# KiCad board bottom-board.kicad_pcb (continued)
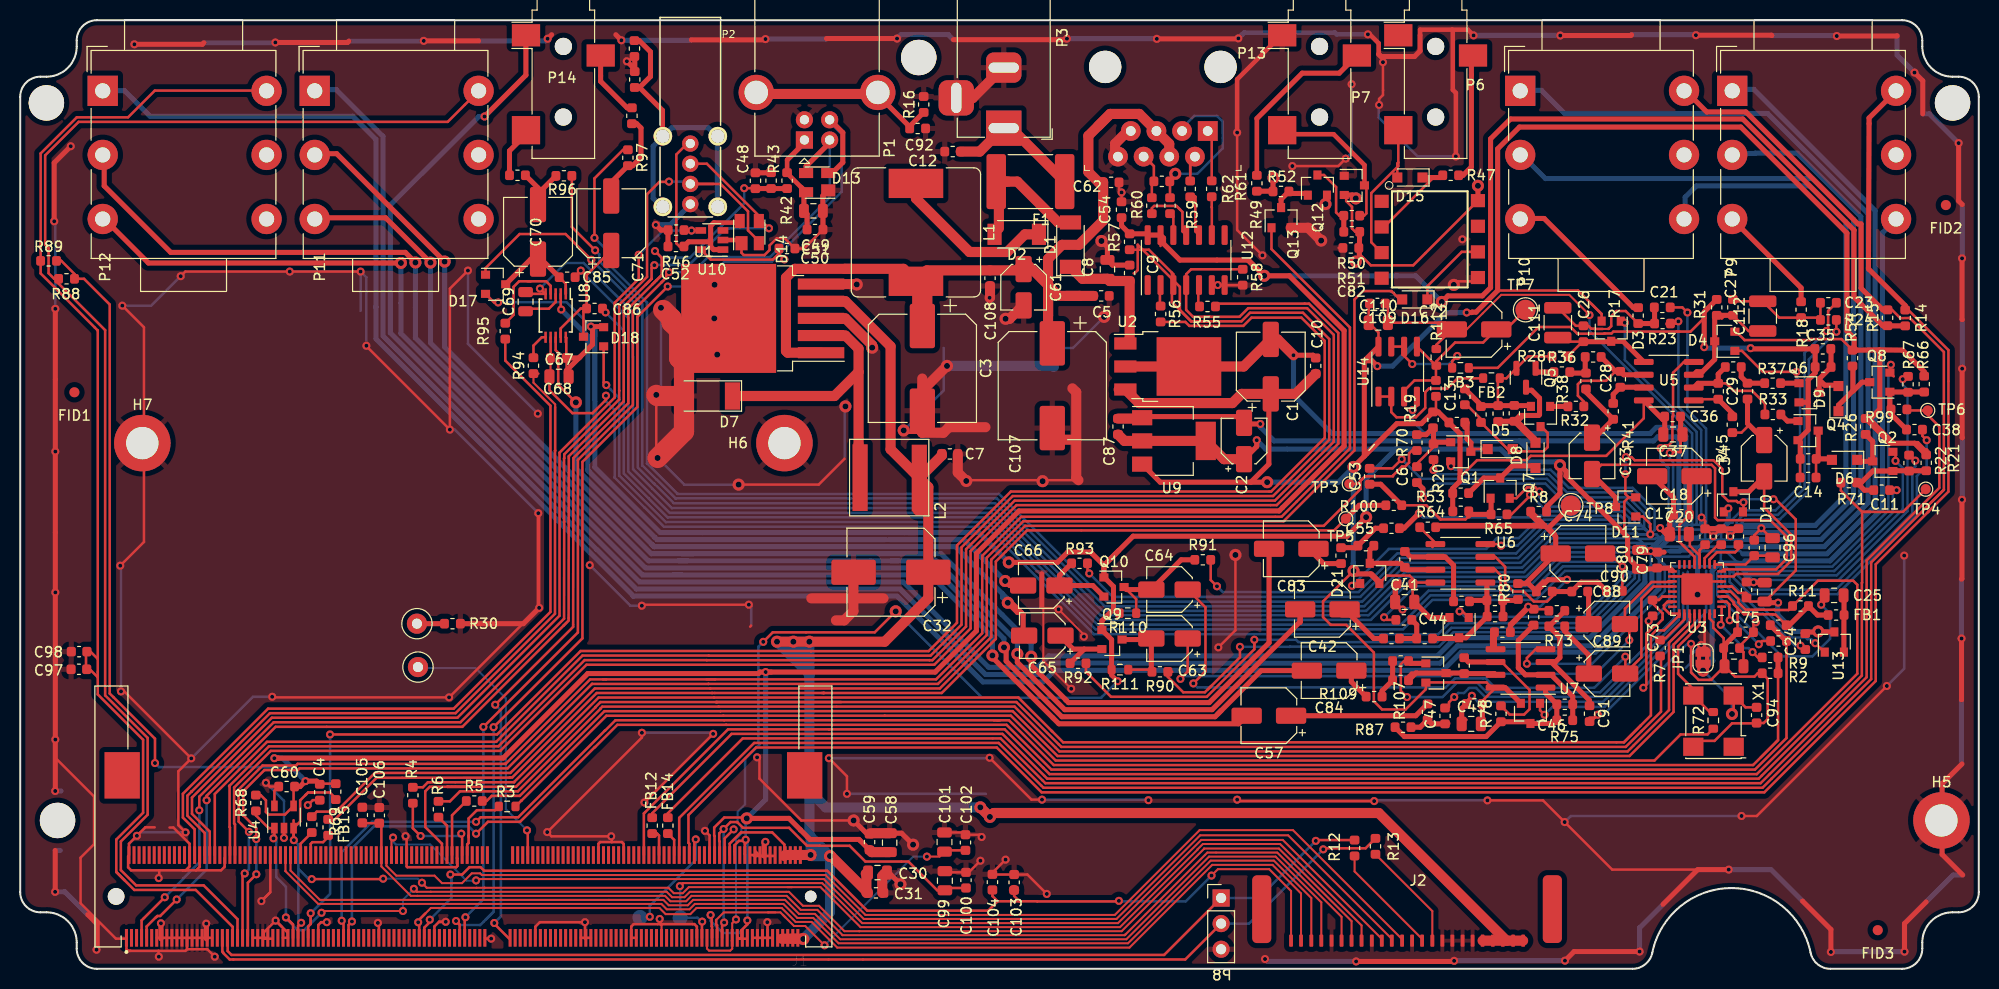
[diagram p0: board, top side]
## Routing (per net, layer and track width the routed paths; a pad name or vN(x,y) marks a point on that pad's centre or on a via; arc(x,y) is an arc through that point) (continued)
  Top w0.25: R68.2 23.34,15.21 24.61,13.94 U4.1 25.18,13.02 v1(25.09,12.93) ; 26.94,4.47 v1(26.32,5.09) 27.03,4.39 J1.67
  Bottom w0.2: v1(37.91,5.73) 37.91,6.84 v1(39,7.93)
  Bottom w0.25: v1(25.09,12.93) 25.36,12.66 25.36,9.1 26.32,8.14 v1(26.32,5.09) 26.32,5 27.48,3.83 28.13,3.83 v1(29.85,5.55)
PM_LEDS_SDA: length 137.9
  Top w0.2: 76.42,8.09 66.23,8.09 65.63,7.49 64.74,7.49 64.2,8.03 46.01,8.03 46,8.04 45.99,8.03 45.2,8.03 45.2,8.03 40.27,8.03 40.27,8.03 39.79,8.51 v1(39.79,8.53) ; 76.42,8.09 79.27,8.09 83.24,4.13 108.93,4.13 116.61,11.8 116.61,11.83 117.15,12.37 124.79,12.37 132.86,4.3 J2.8 ; 76.42,8.09 75.99,8.09
  Top w0.25: U4.3 27.08,12.76 27.1,12.74 ; U4.3 27.08,12.77 v1(27.1,12.75) ; U4.3 27.08,14.72 ; U4.3 27.73,14.59 27.73,16.69 28.26,17.22 ; 28.99,17.48 30.66,17.48 31.25,16.89 R69.2 ; 28.99,17.48 28.52,17.48 28.26,17.22 ; 28.99,17.48 28.77,17.48 ; J1.69 27.53,4.25 v1(27.83,4.56) ; 28.26,17.22 28.36,17.32 ; v1(28.88,8.89) 35.91,8.89 v1(35.95,8.93)
  Bottom w0.2: v1(35.95,8.93) 39.39,8.93 v1(39.79,8.53)
  Bottom w0.25: 27.56,9.91 27.56,4.83 v1(27.83,4.56) ; 27.56,9.91 27.56,12.28 27.1,12.74 ; 27.56,9.91 28.58,8.89 v1(28.88,8.89)
POWER_BUTTON: length 86.7
  Top w0.2: J2.10 134.87,2.96 125.06,12.77 116.98,12.77 108.74,4.53 83.4,4.53 79.44,8.49 65.64,8.49 v1(65.34,8.19)
  Top w0.25: 67.53,4.43 67.53,4.65 ; 67.53,4.43 J1.221 ; 67.53,4.43 67.53,4.65 ; 67.53,4.65 v1(67.55,4.68) ; v1(65.34,8.19) 65.61,8.47
  Bottom w0.25: v1(67.55,4.68) 67.47,4.68 67.09,5.06 Power1.1 65.37,8.16 v1(65.34,8.19)
RESET_BUTTON: length 12.2
  Top w0.25: J1.218 66.78,12.69 v1(66.92,12.83)
  Bottom w0.25: Reset1.1 61.47,5.16 v1(62.36,5.16) 62.36,6.24 66.92,10.79 v1(66.92,12.83) 66.96,12.87
RS485_RX+: length 16.2
  Top w0.25: R59.1 113.89,78.06 R63.1 114.41,78.58 v2(114.41,78.78)
  Bottom w0.25: 114.8,83.03 116.28,84.51 118.56,84.51 119.1,83.97 119.11,82.3 119.11,81.31 116.59,78.78 v2(114.41,78.78)
RS485_RX-: length 5.7
  Top w0.25: 111.85,79.99 112.29,79.55 R63.2 112.09,77.83 R60.1 ; 111.85,79.99 110.76,81.07 ; 111.85,79.99 112.09,79.75
RS485_TX+: length 6.6
  Top w0.25: 118.09,82.64 117.11,83.61 ; 117.34,83.03 118.02,82.35 R61.1
RS485_TX-: length 4.9
  Top w0.25: 115.84,81.07 115.89,81.03 115.89,78.71 ; 116.07,80.49 115.89,80.31 R62.1
UBOOT_BUTTON: length 26.8
  Top w0.25: 50.19,13.71 v1(50.2,13.72) 50.28,13.65 J1.152
  Bottom w0.2: 39,29.8 45.1,29.8 48.1,26.8 48.1,15.82 v1(50.2,13.72)
USB_DEV_DET: length 95.2
  Top w0.25: v1(47.05,26.17) 54.77,33.89 54.77,34.1 54.79,50.61 60.23,56.05 60.23,65.43 62.65,67.85 ; 48.44,2.98 46.96,4.46 v1(46.96,4.54) ; 62.65,67.85 63,68.2 63,68.2 63.5,68.7 ; 62.65,67.85 63.54,68.74 63.54,70.46 v1(62.88,71.12) ; C48.1 72.78,77.35 v1(71.71,77.35)
  Top w0.5: 74.1,77.34 74.1,77.32 74.1,77.31 75.69,77.31 ; C48.1 72.84,77.32 R43.1
  Bottom w0.25: v1(46.96,4.54) 47.62,5.2 47.62,25.6 v1(47.05,26.17) ; 64.53,70.48 66.34,70.48 71.71,75.85 v1(71.71,77.35) ; 64.53,70.48 63.53,70.48 v1(62.88,71.12) ; 64.53,70.48 64.03,70.48
USB_DEV_DM: length 104.3
  Top w0.25: 63.53,68.03 60.68,65.18 60.68,55.86 55.24,50.42 55.24,33.33 v1(45.88,23.97) ; 63.53,68.03 63.99,68.49 63.99,68.82 64.2,69.02 v1(64.27,69.02) ; 63.53,68.03 63.75,68.25 ; J1.135 44.03,5.04 v1(44.1,5.11) 44.01,5.2 43.94,5.2 ; 79.5,81.98 79.84,81.98
  Top w0.5: 80.19,81.87 77.84,79.52 77.84,78.86
  Bottom w0.25: 70.21,70.53 68.13,70.53 66.62,69.02 v1(64.27,69.02) ; 70.21,70.53 69.58,70.53 ; 70.21,70.53 74.26,70.53 80.19,76.46 80.19,81.87 ; v1(44.1,5.11) 45.88,6.89 v1(45.88,23.97)
USB_DEV_DP: length 112.1
  Top w0.25: v1(64.14,67.61) 61.15,64.62 61.13,64.62 61.13,55.67 55.69,50.23 55.69,32.75 v1(46.89,23.95) ; 43.44,4.47 v1(43.17,4.74) 43.53,4.39 J1.133
  Top w0.5: 80.18,84.16 81.48,82.86 81.48,79.9 80.43,78.86 80.04,78.86
  Bottom w0.25: 46.89,5.65 46.89,7.8 ; 46.89,5.65 45.58,4.34 43.57,4.34 v1(43.17,4.74) 43.2,4.77 ; 46.89,5.65 46.1,4.86 ; 46.89,7.8 v1(46.89,23.95) ; 46.89,7.8 46.89,7.84 ; 80.19,83.87 81.37,82.69 81.37,76.99 74.45,70.08 69.77,70.08 67.3,67.61 v1(64.14,67.61)
USB_HOST_DM: length 124.6
  Top w0.25: v1(15.5,6.87) 13.87,5.24 13.59,5.24 13.48,5.13 13.46,5.13 12.53,4.19 J1.9 ; 53.83,34.02 43.79,23.98 25.3,23.98 18.47,17.15 v1(18.47,16.71) ; 53.83,34.02 54.19,34.38 54.32,34.51 54.34,50.61 ; 53.83,34.02 54.1,34.29 ; 62.54,68.38 62.54,69.45 v1(62.81,69.73) ; 62.54,68.38 62.54,68.38 ; 62.54,68.38 61.98,67.82 ; 62.54,68.38 61.98,67.82 ; v1(74.16,73.38) 73.44,74.1 D14.3 73.16,74.62 68.01,79.78 P2.2 ; 73.16,74.01 73.16,74.02 ; 54.34,50.61 54.34,50.79 59.78,56.23 59.78,65.62 61.98,67.82 ; 66.47,79.93 66.35,80.05 ; 73.16,73.71 73.16,74.14 ; 73.16,73.71 73.19,73.68 ; 73.16,73.71 73.16,74.04
  Bottom w0.25: v1(15.5,6.87) 18.47,9.84 v1(18.47,16.71) ; 70.22,73.38 70.52,73.38 ; 70.22,73.38 v1(74.16,73.38) ; 70.22,73.38 69.88,73.38 66.25,69.75 62.84,69.75 v1(62.81,69.73)
USB_HOST_DP: length 123.3
  Top w0.25: D14.2 73.16,72.1 72.09,73.17 72.09,75.06 69.38,77.78 P2.3 68.68,77.78 ; v1(14.32,7.09) 12.03,4.79 J1.7 ; 73.16,71.51 73.16,71.71 ; v1(17.74,15.71) 17.74,17.06 25.11,24.43 43.61,24.43 53.87,34.7 53.88,44.3 53.87,44.31 53.87,50.59 53.89,50.61 53.89,50.98 59.33,56.42 59.33,65.8 62.09,68.56 62.09,76.76 63.31,77.98 64.24,77.98 v1(64.26,78.01)
  Bottom w0.25: v1(64.26,78.01) 66.15,78.01 P2.3 ; v1(14.32,7.09) 16.17,8.94 16.17,8.98 17.74,10.55 v1(17.74,15.71) ; 66.28,77.98 66.35,78.05 66.31,78.01
USB_HOST_DRV: length 97.2
  Top w0.25: v1(61.27,70.76) 61.27,68.38 58.88,65.99 58.88,56.61 53.42,51.15 53.42,34.99 43.31,24.88 24.92,24.88 17.01,16.97 17.01,15.36 18.78,13.6 J1.34 ; U10.4 66.51,73.17 v1(66.49,73.16) 65.8,73.16 R46.1
  Bottom w0.25: v1(66.49,73.16) 63.67,73.16 v1(61.27,70.76)
Net-(C6-Pad1): length 8.2
  Top w0.25: C6.1 138.34,50.05 139.99,51.7 R20.2
  Top w0.5: Q1.1 140.14,52.18 R20.2 139.99,53.56 R19.1 139.27,52.93 R70.2
Net-(C8-Pad1): length 12.8
  Top w1: U2.1 109.89,62.39 109.89,68.16 107.91,68.16 C8.1 105.22,68.37 D1.1
Net-(C11-Pad1): length 14.7
  Top w0.25: 183.53,49.36 188.79,49.36
  Top w0.5: 188.77,49.33 188.79,49.36 ; 188.79,49.36 188.74,49.31 ; 188.79,49.36 185.52,49.36 Q2.1 183.5,49.33 182.35,48.18 R71.2 182.66,47.43 C11.1
Net-(C12-Pad1): length 13.4
  Top w1: C12.1 95.04,80.98 97.34,83.28 98.18,83.28 F1.1
Net-(C13-Pad1): length 13.7
  Top w0.25: C13.1 143.27,55.89 144.69,54.47 R27.2 ; 147.44,51.83 147.44,51.36 147.51,51.28 ; R27.2 144.69,54.03 ; R27.2 147.33,51.5 D5.2 148.07,51.28 150.88,51.28 151.3,51.7 151.3,53.1 150.67,53.73 Q3.3 150.59,53.68 ; 143.09,55.64 143.19,55.64
Net-(C14-Pad1): length 6.3
  Top w0.25: C14.1 177.88,50.52 R29.2
  Top w0.5: 179.44,50.43 179.34,50.53 R29.2 178.09,50.73 Q4.3
Net-(C15-Pad1): length 2.8
  Top w0.25: U3.11 166.84,40.69 168.18,42.03 C15.1
Net-(C16-Pad1): length 4.6
  Top w0.25: 167.34,40.55 168.05,41.27 169.85,41.27 170.19,41.61 C16.1 ; 167.34,40.55 167.62,40.83 ; 167.34,40.55 U3.10
Net-(C17-Pad1): length 11
  Top w0.25: C17.1 164.33,43.99 164.33,42.34 165.84,40.83 U3.13
  Top w0.5: C17.1 165.34,48.1 C18.1 165.38,48.15
Net-(C19-Pad1): length 5
  Top w0.25: C19.1 166.34,41.48 U3.12 166.34,40.96 165.38,41.92 165.38,42.43
Net-(C22-Pad1): length 19.9
  Top w0.25: 148.47,54.26 148.94,54.73 150.08,54.73 150.59,55.24 150.59,56.58 149.84,57.33 149.19,57.33 ; 148.47,54.26 C22.1 ; 148.47,54.26 150.09,52.63 150.09,51.93
  Top w0.5: C22.1 148.56,54.83 150.4,54.83 150.49,54.92 150.49,56.54 149.7,57.33 149.19,57.33 ; C22.1 146.41,54.26 R40.2 ; C22.1 150.09,52.16 150.09,51.93
Net-(C23-Pad1): length 11.2
  Top w0.25: C27.2 169.82,66.15 C112.2 174.22,64.53 R18.1 178.09,64.53 R24.2 C23.1
Net-(C25-Pad2): length 5.7
  Top w0.25: 180.64,34.5 180.65,34.51 FB1.2
  Top w0.5: C25.2 180.65,36.96 FB1.2 ; U13.2 180.64,34.5
Net-(C26-Pad1): length 11.9
  Top w0.25: C26.1 152.71,62.14 C111.1 ; C26.1 154.72,62.26 ; C26.1 154.74,62.14 R28.2
  Top w0.5: U5.5 158.77,62.18 D3.3 157.55,62.14 C26.1
Net-(C26-Pad2): length 13.9
  Top w0.2: 156.74,63.4 157.3,63.4 157.33,63.43
  Top w0.25: 156.74,63.4 155.98,63.4 155.95,63.43 155.6,63.43 155.31,63.72 C26.2 154.08,63.72 C111.2 ; R17.1 159.02,65.18 158.1,65.18 157.59,64.67 157.59,63.68 157.34,63.43 157.33,63.43 157.3,63.41
  Top w0.5: R17.1 R23.2 161.88,65.52 C21.1
Net-(C27-Pad1): length 14.4
  Top w0.25: 168.54,64.43 168.84,64.73 ; 168.84,64.73 R31.2 ; 168.84,64.73 C27.1 171.19,63.2 C112.1
  Top w0.5: 165.77,58.87 166.06,59.17 166.62,59.17 167.84,60.39 D4.3 167.84,64.56 R31.2 C27.1
Net-(C28-Pad1): length 11.7
  Top w0.25: 158.02,59.21 157.08,58.27 154.63,58.27 154.29,57.93 154.29,56.79 154.88,56.21 R32.2
  Top w0.5: R34.2 158.02,59.21 158.49,59.21 158.83,58.87 U5.6
Net-(C28-Pad2): length 4.2
  Top w0.5: U5.7 160.78,57.63 C28.2 157.79,56.93 R41.2
Net-(C29-Pad1): length 11
  Top w0.25: R33.2 172.81,56.01 171.55,57.27 169.73,57.27 168.98,58.02 C29.1
  Top w0.5: R35.2 168.19,58.93 C29.1 166.19,58.02 165.77,57.6
Net-(C29-Pad2): length 4.8
  Top w0.25: C29.2 165.88,56.44 165.77,56.33
  Top w0.5: C29.2 169.59,55.04 169.59,54.71
Net-(C33-Pad1): length 7.8
  Top w0.25: 155.09,53.23 C33.1
  Top w0.5: C33.1 155.97,52.63 R41.1 155.09,57.16 R38.1
Net-(C34-Pad1): length 6.5
  Top w0.25: 171.09,53.73 170.49,53.13 R45.1
  Top w0.5: R39.1 171.09,54.04 C34.1
Net-(C35-Pad1): length 7.8
  Top w0.25: 178.19,58.46 Q6.3
  Top w0.5: 178.19,58.43 178.19,58.38 178.74,57.83 179.54,57.83 ; C35.1 179.37,61.41 R44.2 178.19,58.46 Q6.3
Net-(C38-Pad1): length 11.7
  Top w0.25: 185.34,57.03 Q8.1 185.24,57.13 R67.2 187.02,57.16 188.59,57.16
  Top w0.5: 186.94,57.18 R67.2 ; 188.56,57.13 188.59,57.16 ; 188.59,57.16 185.22,57.16 Q8.1 185.19,55.54 R99.2 185.3,54.97 C38.1 ; 188.59,57.16 188.49,57.06
Net-(C40-Pad1): length 11.5
  Top w0.5: C40.1 145.3,36.48 R84.2 143.2,32.81 D19.3 142.45,32.73 R86.1 ; C40.1 143.65,36.51 R81.1 ; C40.1 145.28,38.12 U6.1
Net-(C40-Pad2): length 7.8
  Top w0.25: 146.11,39.55 146.1,39.55 ; 146.1,39.55 U6.2 ; 146.1,39.55 146.63,39.01 146.63,37.2 146.85,36.98 C40.2 147.12,36.51
  Top w0.5: R84.1 146.85,34.93 C40.2 148.26,36.51 R80.2
Net-(C42-Pad1): length 7
  Top w0.25: 134.83,32.73 R105.2 ; 130.85,34.93 132.62,34.93
  Top w0.5: R105.2 134.07,32.73 C42.1
Net-(C42-Pad2): length 131.1
  Top w0.5: 29.31,74.42 36.2,74.42 v2(40.64,69.98) ; 126.78,34.32 C42.2 126.78,34.4 118.06,25.68 103.46,25.68 98.77,30.37 v2(98.77,31.2)
  Bottom w0.5: v2(40.64,69.98) 40.64,62.01 62.22,40.43 66.06,40.43 ; 86.32,40.43 65.23,40.43 ; 86.32,40.43 86.94,40.43 ; 86.32,40.43 90.72,40.43 90.9,40.25 90.9,40.25 98.77,32.38 v2(98.77,31.2)
Net-(C44-Pad2): length 3.8
  Top w0.5: R105.1 R86.2 138.33,34.09 C44.2
Net-(C46-Pad1): length 20.9
  Top w0.5: U7.1 151.08,27.33 C46.1 152.2,24.63 R75.2 151.88,24.31 D20.3 149.42,24.48 R78.1 145.2,23.01 137.11,23.01 R87.1
Net-(C46-Pad2): length 17.8
  Top w0.25: 151.62,29.2 149.2,29.2 148.39,30.01 ; 149.44,34.06 R83.2
  Top w0.5: R83.2 148.39,32.54 148.39,29.82 149.08,29.13 U7.2 151.64,29.13 153.78,26.99 C46.2 153.78,24.63 R75.1
Net-(C47-Pad2): length 4.1
  Top w0.25: 141.45,24.28 141.53,24.36 141.53,24.24
  Top w0.5: C47.2 139.8,24.27 R107.1 138.66,23.94 R87.2
Net-(C49-Pad1): length 11
  Top w0.45: D13.4 75.96,78.83 R42.1 75.96,80.14 76,80.18
  Top w0.5: C50.2 77.94,74.79 C49.1 77.63,76.74 D13.4 77.36,77.44 ; R42.1 75.93,78.89 ; 77.69,81.87 76,80.18
Net-(C52-Pad2): length 21.7
  Top w0.25: 71.27,73.81 71.27,74.01 ; C52.2 65.3,71.58 64.99,71.89 64.99,80.69 66.35,82.05 ; 69.35,71.31 69.32,71.34 ; 71.27,73.71 71.27,73.51
  Top w0.45: 68.72,73.94 71.11,73.94 D14.4
  Top w0.5: U10.1 68.69,71.27 68.39,71.57 68.39,71.95 68.3,72.04 ; C52.2 66.2,72.04 68.3,72.04 ; 68.3,72.04 68.39,72.13 68.39,73.61 68.72,73.94 ; 71.27,73.71 71.03,73.94
Net-(C53-Pad1): length 17.4
  Top w0.25: 140.68,44.53 139.59,45.62 ; 140.68,44.53 139.28,45.93 R100.2 ; 140.68,44.53 143.15,44.53 143.48,44.86
  Top w0.5: Q7.1 145.69,46.58 R65.2 143.78,45.03 R64.1 143.48,44.86 ; R100.2 134.75,48.02 C53.1
Net-(C55-Pad2): length 5
  Top w0.5: C55.2 134.22,43.66 R102.2 132.3,41.73 R108.1
Net-(C56-Pad2): length 4
  Top w0.5: C56.2 R106.2 134.89,27.53 R109.1
Net-(C57-Pad1): length 14.1
  Top w0.5: 125.98,24.98 C57.1 138.23,25.08 R107.2
Net-(C57-Pad2): length 140.4
  Top w0.5: 8.32,74.32 12.7,69.94 v2(37.71,69.94) ; v2(96.3,31.05) 96.3,30.86 102.88,24.28 120.68,24.28 C57.2
  Bottom w0.5: 65.55,39.03 61.64,39.03 37.71,62.96 v2(37.71,69.94) ; v2(96.3,31.05) 96.3,32.87 90.14,39.03 64.65,39.03
Net-(C63-Pad2): length 8.6
  Top w0.25: R111.1 111.89,29.64 112.1,29.43
  Top w0.5: Q9.3 111.94,32.63 C63.2 112.04,29.49
Net-(C64-Pad2): length 11.4
  Top w0.25: R110.1 110.54,36.63 Q10.3
  Top w0.5: Q10.3 109.59,37.58 C64.2 114.99,40.53 R91.2
Net-(C65-Pad1): length 6.7
  Top w0.5: 105.39,31.68 104.29,31.68 102.94,33.03 ; 105.39,31.68 Q9.2 ; 105.39,31.68 R92.2
Net-(C65-Pad2): length 71.2
  Top w0.25: U8.8 53.04,61.3 53.29,61.05 53.29,57.88 v2(55.04,56.13)
  Top w0.45: 99.34,33.03 99.11,33.03
  Top w0.5: 98.85,33.52 99.34,33.03 ; 99.34,33.03 99.34,35.12 99.14,35.32 ; 99.34,33.03 98.76,33.03 ; 99.14,35.32 98,36.46 ; 99.14,35.32 98.77,35.32 v2(97.82,36.27)
  Bottom w0.5: 97.31,37.16 97.31,36.79 v2(97.82,36.27) ; 97.31,37.16 92.63,41.83 62.81,41.83 ; 97.31,37.16 98,36.46 ; 62.81,41.83 62.8,41.83 55.04,49.59 v2(55.04,56.13) ; 62.81,41.83 62.57,42.07 62.81,41.83
Net-(C66-Pad1): length 7.6
  Top w0.5: Q10.2 106.24,37.98 C66.1 102.94,38.98 R93.2
Net-(C66-Pad2): length 67.2
  Top w0.25: U8.2 53.54,65.38 v1(53.59,65.33)
  Top w0.5: v2(97.56,38.43) 98.01,37.98 C66.2
  Bottom w0.45: 86.14,42.53 85.73,42.53
  Bottom w0.5: 56.22,52.68 56.22,49.41 56.33,49.3 56.33,49.29 62.85,42.77 62.86,42.77 63.1,42.53 85.73,42.53 ; 56.22,52.68 56.22,62.7 v1(53.59,65.33) ; 56.22,52.68 56.22,52.41 ; 87.33,42.53 86.14,42.53 ; 87.33,42.53 93.46,42.53 v2(97.56,38.43) ; 87.33,42.53 87.84,42.53
Net-(C69-Pad1): length 3.8
  Top w0.25: 50.34,65.41 52.37,65.41 53.04,66.08 U8.3
Net-(C70-Pad1): length 11.4
  Top w0.25: 51.19,70.29 51.19,71.03 51.19,70.23 ; 54.04,67.68 U8.1 54.04,67.88 C85.2 ; 48.09,67.93 D17.3
  Top w0.5: C85.2 51.59,70.33 C70.1 50.59,70.33 D17.3
Net-(C70-Pad2): length 7.3
  Top w0.5: R103.2 51.29,77.38 C70.2 51.29,76.81 R96.2 53.06,78.31
Net-(C71-Pad1): length 15.9
  Top w0.25: C86.2 55.51,65.43 53.54,63.46 U8.9 53.54,63.38 ; C86.2 55.79,65.12 D18.3 ; C86.2 56.1,68.74 C71.1 57.74,70.38
Net-(C71-Pad2): length 10.8
  Top w0.25: 58.39,75.23 58.39,76.73
  Top w0.5: C71.2 58.54,77.93 R97.2 60.67,79.58 61.49,80.41 61.49,83.32 61.06,83.74 R104.1
Net-(C83-Pad1): length 2.8
  Top w0.5: 128.31,40.94 129.1,40.15 R108.2
Net-(C83-Pad2): length 136.1
  Top w0.5: C83.2 123.7,32.31 117.77,26.38 103.83,26.38 103.59,26.62 103.59,26.64 100.14,30.08 v2(100.14,30.93) ; v2(42.04,70.08) 31.35,80.77 29.31,80.77
  Bottom w0.5: 65.52,41.13 91.22,41.13 100.14,32.21 v2(100.14,30.93) ; 65.52,41.13 62.51,41.13 42.04,61.6 v2(42.04,70.08) ; 65.52,41.13 66.69,41.13
Net-(C84-Pad1): length 3.4
  Top w0.5: C84.1 131.85,28.44 R109.2 133.32,27.2
Net-(C84-Pad2): length 151.9
  Top w0.5: 118.95,25.59 118.61,25.24 ; 118.95,25.59 118.35,24.98 103.17,24.98 97.66,30.49 97.66,31.64 v2(97.45,31.86) ; 118.95,25.59 122.92,29.55 C84.2 ; 8.32,80.67 8.32,77.58 14.91,70.99 38.14,70.99 v2(39.15,69.99)
  Bottom w0.5: v2(97.45,31.86) 97.45,32.71 90.43,39.73 61.93,39.73 39.15,62.51 v2(39.15,69.99)
Net-(C88-Pad1): length 3.4
  Top w0.25: R74.1 155.26,37.28
  Top w0.5: R74.1 155.35,37.3 C88.1
Net-(C89-Pad1): length 5.7
  Top w0.5: C89.1 155.37,31.08 152.99,33.47 R73.1
Net-(C90-Pad1): length 17.9
  Top w0.25: 153.41,37.39 R76.1 151.75,36.91 151.24,36.4 149.92,36.4 148.93,37.39 147.9,37.39 147.08,38.2 147.08,39.83 146.1,40.82 U6.3
  Top w0.5: R76.1 R74.2 154.61,38.31 156.24,38.31 C90.1
Net-(C91-Pad1): length 16
  Top w0.25: 151.79,30.51 151.75,30.47 150.65,30.47 151.62,30.47 ; C91.1 155.44,26.45 155.43,26.47
  Top w0.5: 155.43,26.47 155.43,26.61 151.64,30.4 U7.3 152.06,30.4 152.51,30.85 152.51,32.84 R73.2 151.45,33.94 R77.1
Net-(C92-Pad2): length 21.8
  Top w0.25: 85.71,85.6 84,87.31
  Top w0.5: 84.96,86.58 88.1,83.44 C92.2 88.1,83.48 R16.1
  Top w1: 72.57,86.69 84.61,86.69 85.02,86.28
Net-(C93-Pad2): length 34.1
  Top w0.5: 61.34,87.33 63.62,85.06 63.62,82.43 ; 61.34,87.33 R48.1 ; 61.34,87.33 62.43,88.42 62.43,90.86 61.31,91.98 C93.2 ; 64.18,75.23 63.63,75.78
  Bottom w0.5: 69.06,75.43 69.06,82.43 68.14,83.35 64.54,83.35 62.7,81.51 62.7,76.35 63.62,75.43
Net-(C95-Pad1): length 6.2
  Top w0.25: 168.2,40.07 U3.9 170.89,40.07 C95.1 171.77,40.93 173.31,40.93
Net-(D1-Pad2): length 15
  Top w1: F1.2 97.87,78.01 ; F1.2 96.94,77.74 96.94,73.37 ; F1.2 98.77,78.01 102.81,73.96 D1.2
Net-(D2-Pad1): length 16.6
  Top w1: L1.1 88.72,76.34 94.03,71.03 97.77,71.03 99.52,72.78 D2.1
Net-(D5-Pad1): length 5.5
  Top w0.25: D5.1 143.96,51.5 Q1.3
  Top w0.5: Q1.3 143.69,52.13 143.31,52.51 143.31,54.11 143.29,54.13 R25.1 143.09,53.66
Net-(D6-Pad1): length 4.8
  Top w0.5: 183.34,50.43 Q2.3 ; Q2.3 183.49,52.26 R26.1 ; Q2.3 182.1,50.28 D6.1
Net-(D7-Pad1): length 29.4
  Top w1: 83.04,51.97 83.04,50.9 83.04,59.14 ; 83.04,59.14 80.66,56.76 D7.1 ; 83.04,59.14 83.04,61.45 81.74,62.75 U1.2
Net-(D8-Pad1): length 7.7
  Top w0.5: 150.09,49.83 147.79,49.83 Q7.3 144.97,48.63 R53.1
Net-(D9-Pad1): length 7.3
  Top w0.5: Q8.3 182.43,58.13 181.58,57.28 181.53,57.28 ; 181.53,57.28 181.53,59.7 R54.1 181.64,59.58 ; 181.53,57.28 180.1,55.85 D9.1
Net-(D12-Pad3): length 15
  Top w0.25: R50.1 133.12,74.63 133.34,74.86 133.34,77.68
  Top w0.45: 125,82.7 130.09,82.7 133.15,79.64 D12.3
Net-(D15-Pad1): length 9.3
  Top w0.25: U11.2 135.09,73.51 139.99,78.41 ; 139.45,78.41 139.45,78.11
  Top w0.5: 140.71,78.44 R47.2 140.68,78.41 139.45,78.41
Net-(D15-Pad2): length 15.2
  Top w0.25: 136.5,79.9 136.4,79.8 D15.2 ; 136.5,79.9 P6.T ; 136.5,79.9 136.5,79.54 133.82,76.87 133.82,72 U11.3
Net-(D16-Pad1): length 7.7
  Top w0.25: D16.1 139.38,67.65 142.78,71.04 U11.6
Net-(D21-Pad3): length 8.7
  Top w0.5: U6.7 137.38,39.55 R85.2 136.75,40.18 D21.3 133.68,41.53 R102.1
Net-(D22-Pad3): length 17.8
  Top w0.25: R106.1 137.51,29.06 137.79,29.33 142.95,29.33 R98.2 145.64,29.26 145.7,29.2
  Top w0.5: R106.1 138.24,29.31 D22.3 142.97,29.31 R98.2 146.01,29.26 U7.7
Net-(FB2-Pad2): length 14.4
  Top w0.25: U14.1 U14.2 135.81,55.17 136.32,54.65 138.24,54.65 139.17,55.58 139.17,57.14 139.53,57.5 141.36,57.5 142.37,58.51 144.72,58.51
Net-(FB3-Pad2): length 9.5
  Top w0.25: FB3.2 141.84,60.23 v1(142.34,60.73) ; U14.7 U14.6 137.08,60.74 v1(137.88,59.93)
  Bottom w0.25: v1(142.34,60.73) 141.54,59.93 v1(137.88,59.93)
Net-(FB12-Pad1): length 2.9
  Top w0.25: 63.19,13.29 63.08,13.4 ; 63.08,13.4 FB12.1 ; 63.08,13.4 63.28,13.2 J1.204
Net-(FB13-Pad1): length 2.7
  Top w0.25: J1.70 27.78,12.4 28.88,13.5 FB13.1
Net-(FB14-Pad1): length 2.4
  Top w0.25: FB14.1 64.78,12.78 J1.210
Net-(FB15-Pad1): length 3.4
  Top w0.25: J1.74 28.78,12.38 28.94,12.55 30,12.55 30.49,13.05 30.69,12.85
Net-(J2-Pad14): length 11.2
  Top w0.2: J2.14 138.86,2.96 132.17,9.65 R12.1
Net-(J2-Pad15): length 10.9
  Top w0.2: R13.1 139.87,5.72 J2.15
Net-(P6-PadR): length 12.3
  Top w0.5: 143.74,90.18 143.74,79.46 142.91,78.63 R47.1
Net-(P7-PadR): length 19.7
  Top w0.45: 132.02,90.22 132.4,90.6 ; R49.1 122.49,84.26 ; 132.76,90.46 132.42,90.81 131.86,90.81
  Top w0.5: 122.49,84.26 126.98,88.75 130.65,88.75 P7.R
Net-(P9-PadT): length 11
  Top w0.5: P9.T 176.4,67.48 R18.2
Net-(P10-PadT): length 15.2
  Top w0.5: 148.68,74.35 150.95,74.35 159.78,65.52 R17.2
Net-(P14-PadR): length 6.3
  Top w0.5: R104.2 60.12,85.32 57.49,87.94 57.49,90.08
Net-(P14-PadT): length 5
  Top w0.25: 49.79,82.48 49.99,82.68
  Top w0.5: 50.09,82.68 48.47,81.06 R103.1
Net-(Q3-Pad1): length 1.8
  Top w0.5: R32.1 Q3.1
Net-(Q4-Pad1): length 2
  Top w0.5: Q4.1 175.04,54.28 R33.1
Net-(Q5-Pad1): length 1.9
  Top w0.5: 151.91,59.13 150.34,59.13 150.14,59.33
Net-(Q6-Pad1): length 1.8
  Top w0.5: Q6.1 R37.1
Net-(Q12-Pad1): length 3.9
  Top w0.5: 127.54,76.83 125.87,76.83 R52.2 124.89,76.26 Q13.3
Net-(Q12-Pad3): length 7.6
  Top w0.25: R50.2 130.66,74.63 130.34,74.96 130.34,77.46 129.14,78.66 Q12.3
  Top w0.5: R51.2 R50.2 130.9,74.83
Net-(R3-Pad1): length 125.5
  Top w0.25: R3.1 49.66,16.69 49.67,16.69 58.06,25.08 69.64,25.08 85.63,25.08 85.63,25.08 98.12,25.08 102.56,20.64 161.87,20.64 164.46,23.23 167.13,23.23 R72.1
Net-(R4-Pad2): length 147
  Top w0.25: 160.48,24.08 158.84,22.44 ; 160.48,24.08 161.52,25.12 161.52,33.02 162.04,33.54 162.83,33.54 164.34,35.04 U3.25 ; 160.48,24.08 158.84,22.44 ; 158.84,22.44 103.31,22.44 98.86,26.88 68.72,26.88 68.72,26.88 57.29,26.88 48.92,18.51 48.92,18.49 43.1,18.49 40.38,18.48 39.88,17.99 R4.2 ; U3.25 163.35,35.19 162.81,35.73 162.81,36.03 163.17,36.38 U3.23 163.6,36.33 163.12,36.33 ; U3.25 164.22,35.19
Net-(R5-Pad1): length 135.9
  Top w0.25: U3.28 165.84,34.2 163.76,32.13 163.76,25.45 159.4,21.09 102.75,21.09 98.31,25.53 69.37,25.53 69.37,25.53 57.88,25.53 49.48,17.14 46.71,17.14 46.2,16.63 R5.1
Net-(R6-Pad1): length 139.8
  Top w0.25: U3.27 165.39,35.14 165.39,34.39 163.31,32.31 163.31,25.64 159.21,21.54 102.93,21.54 98.49,25.98 80.85,25.98 69.18,25.98 69.18,25.98 57.66,25.98 57.47,25.79 57.47,25.76 49.3,17.59 44.85,17.59 44.85,17.59 43.55,17.59 42.56,16.6 R6.1
Net-(R7-Pad1): length 4.3
  Top w0.25: 164.84,34.76 U3.26 ; U3.26 164.84,34.62 163,32.78 162.52,32.78 ; U3.26 164.84,34.98
Net-(R9-Pad1): length 7.3
  Top w0.25: v1(168.43,34.09) 168.53,34.18 U3.1 ; v1(171.59,31.38) 172.12,30.86 R9.1
  Bottom w0.25: v1(168.43,34.09) 170.74,31.78 171.19,31.78 v1(171.59,31.38)
Net-(R10-Pad1): length 7.6
  Top w0.25: v1(172.21,32.16) 172.53,32.48 R10.1 ; v1(169.33,34.54) 169.29,34.57 169.29,36.1 169.01,36.38 U3.2
  Bottom w0.25: v1(172.21,32.16) 169.84,34.54 v1(169.33,34.54)
Net-(R30-Pad2): length 3.1
  Top w0.5: 38.9,34.2 R30.2
Net-(R34-Pad1): length 3.3
  Top w0.5: R36.2 153.59,59.03 R38.2 155.02,59.11 R34.1
Net-(R35-Pad1): length 3.6
  Top w0.5: R35.1 170.47,58.66 R39.2 R37.2
Net-(R55-Pad1): length 2.2
  Top w0.25: 116.69,65.62 116.69,67.69 U12.5
Net-(R56-Pad1): length 2.1
  Top w0.25: 112.89,65.71 112.89,67.7 U12.2
Net-(R59-Pad2): length 2.3
  Top w0.25: R59.2 114.22,74.5 U12.12
Net-(R60-Pad2): length 6.9
  Top w0.25: 114.53,75.59 114.89,75.23 ; 114.53,75.59 112.32,75.59 112.09,75.37 R60.2 ; 114.53,75.59 115.12,75 115.12,73.08 U12.11
Net-(R61-Pad2): length 3.8
  Top w0.25: U12.9 118.03,75.47 118.02,75.48 R61.2
Net-(R62-Pad2): length 5.2
  Top w0.25: 116.39,75.82 116.39,73.08 U12.10 ; 116.39,75.82 116.39,76.53 116.35,76.57 ; 116.39,75.82 116.39,76.47 116.37,76.49 R62.2
Net-(R72-Pad2): length 12.3
  Top w0.25: U3.29 166.34,34.07 164.21,31.94 164.21,29.23 165.72,27.72 X1.3 167.35,25.45 R72.2
  Top w0.5: 165.74,27.06 X1.3
Net-(R78-Pad2): length 13.7
  Top w0.25: 147.55,29.59 147.47,29.67 ; 147.47,29.67 149.5,27.64 149.5,25.73 148.96,25.19 147.53,25.19 R78.2 ; 147.47,29.67 146.68,30.47 145.7,30.47
  Top w0.5: R98.1 143.45,30.4 U7.6
Net-(R79-Pad2): length 3.5
  Top w0.25: R79.2 145.7,33.03 145.7,31.74
  Top w0.5: U7.5 146.03,31.78 R79.2
Net-(R81-Pad2): length 9
  Top w0.5: 141.97,36.41 141.97,39.99 141.15,40.82 U6.6 137.69,40.82 R85.1
Net-(R82-Pad2): length 2.7
  Top w0.25: R82.2 140.18,42.21 U6.5 139.88,41.79
Net-(R94-Pad2): length 3.2
  Top w0.25: 50.84,60.99 R94.2 50.84,61.76 51.67,62.58 U8.6
Net-(R95-Pad2): length 9.1
  Top w0.25: 50.56,68.13 50.25,68.13 ; 50.56,68.13 49.42,68.13 48.87,67.58 48.87,64.79 R95.2 ; 50.56,68.13 52.09,68.13 52.54,67.68 U8.4

## Copper pours and planes (outline as drawn; the poured copper is in the pictures)
+5V on PWR-5VD.Cu: 198.61,-1.2 -2.8,-1 -2.86,95.25 198.57,95.38
GNDA on Bottom: 171.02,44.26 171.02,38.93 158.31,39.06 158.27,44.26
GNDD on Top: 198.6,-1.2 -2.8,-1 -2.86,95.26 198.57,95.38
GNDD on Bottom: 198.6,-1.2 -2.8,-1 -2.86,95.26 198.57,95.38
GNDD on GNDD.Cu: 198.61,-1.2 -2.8,-1 -2.86,95.25 198.57,95.38

## Text on the board
B.Silkscreen: Recovery | MOD Audio UG / http://mod.audio / [MDW-PCB-001] / MOD Dwarf - Main Board / Rev.: MDW-PCB-001-V3.0 / Date: 2023.02.22 | TX / RX / GND
User.Drawings: 260P DDR4 5.2 STD Connector | Firefly PX30 SoM | HMI FFC Cable | Flexible but should not be | blocked by large componnents | Cut Layer | Jacks | Foot Switches [8-14mm clearance] | HMI FFC Cable Center Line | Screw Bosses [0mm clearance] | Foot Switches | [8-14mm clearance] | HMI FFC Connector | Screw Bosses
